# Altium PCB WirelessPCB.PcbDoc
Units mm, origin at the board's own origin, x right, y up, seen from the top; angles counter-clockwise.
Board outline 29.06 x 38 mm, 2 copper layers (Top Layer, Bottom Layer), stack 1.571 mm thick; 14 components, 14 nets, 87 pads, 30 vias.
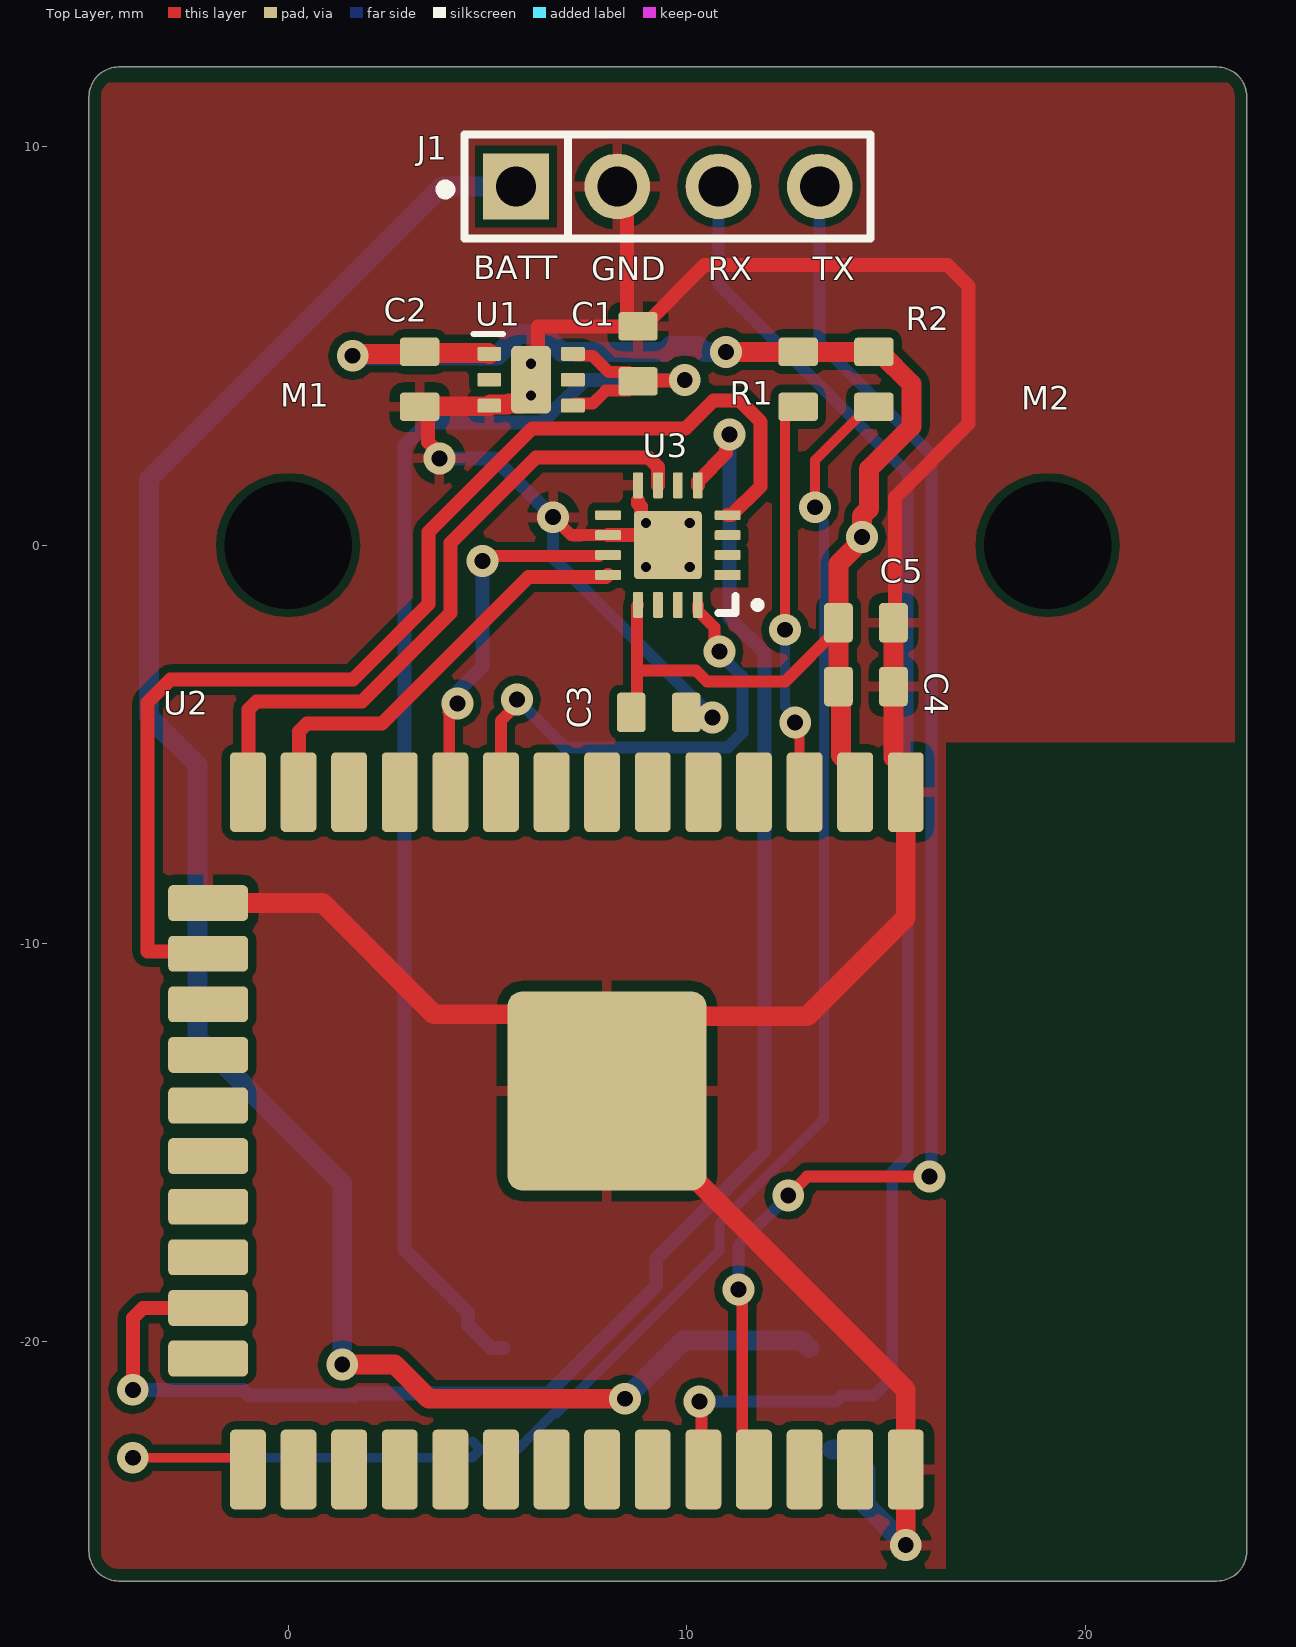
[diagram p0: Top Layer view]
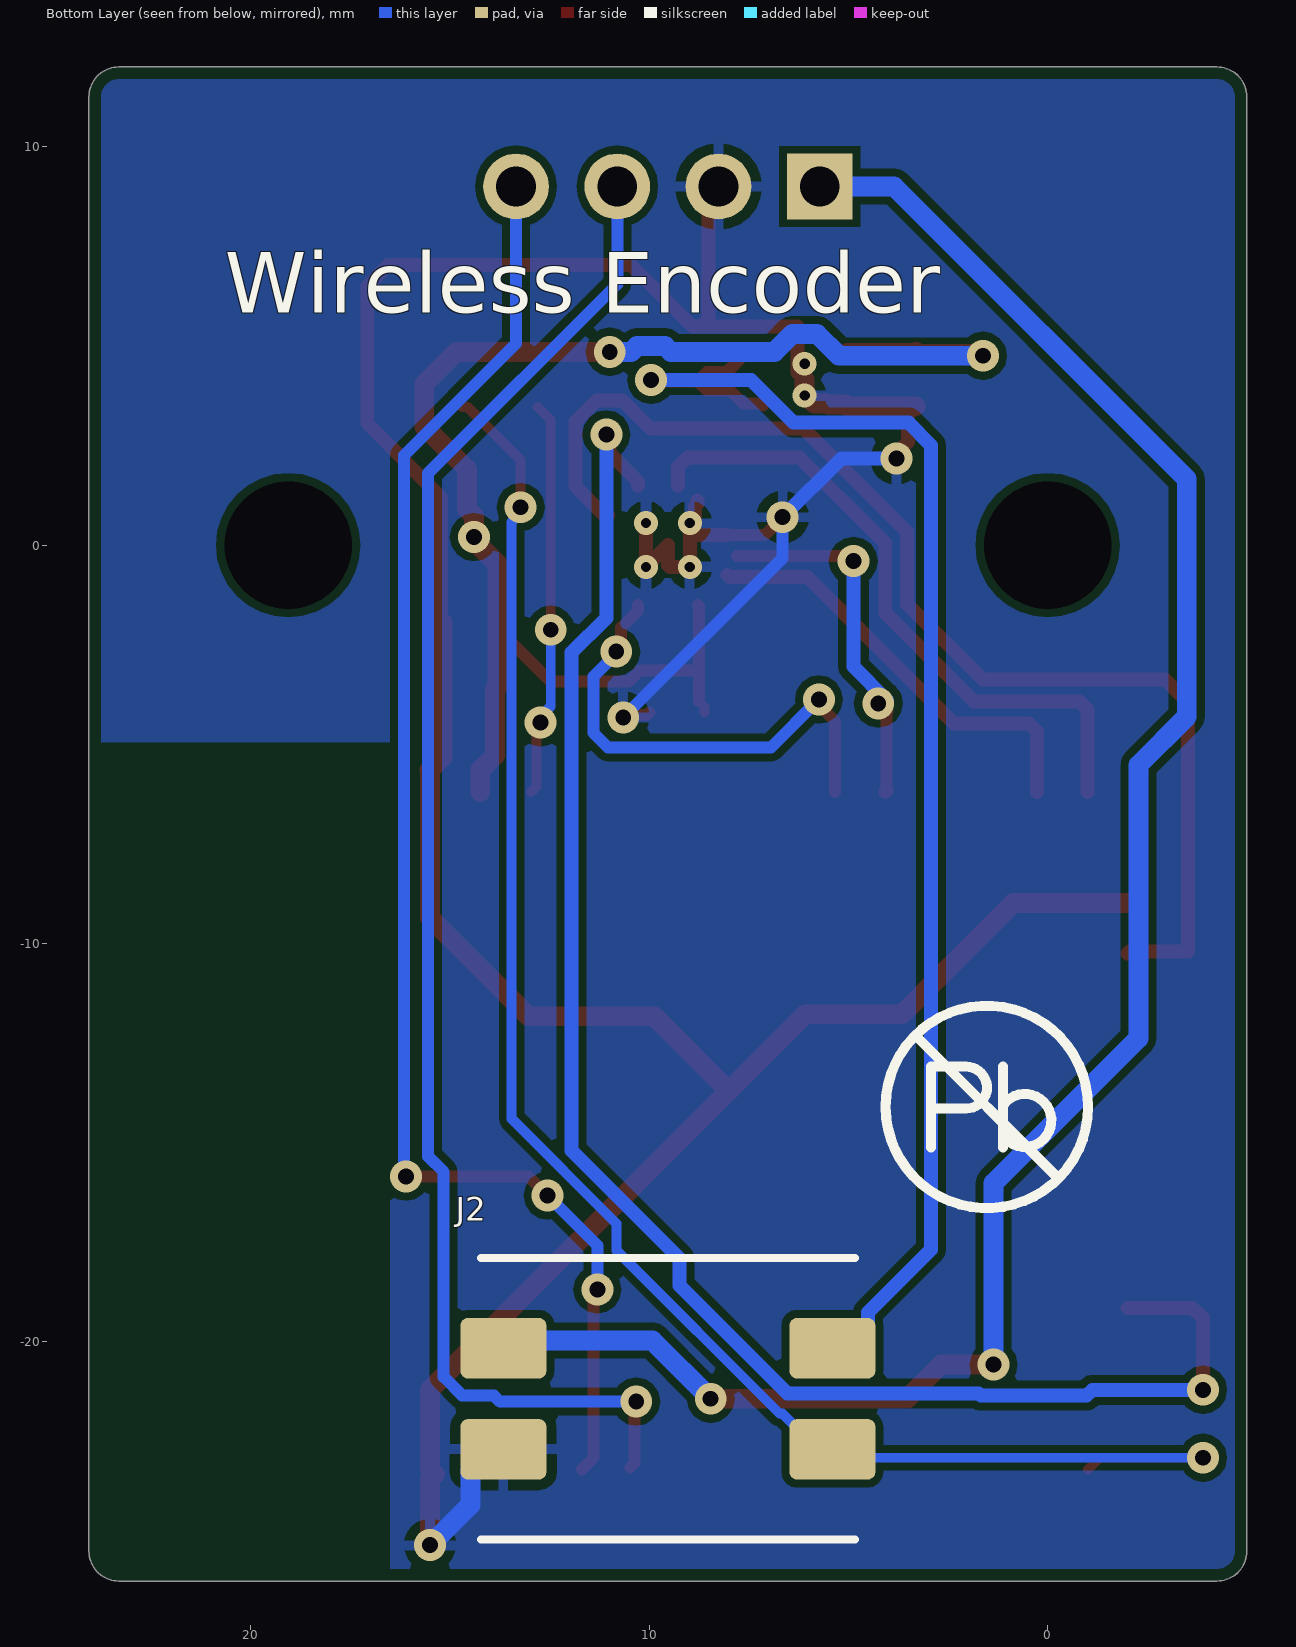
[diagram p1: Bottom Layer view, seen from below]

## Layer stack, top to bottom
Top Solder: solder mask 0.0102, Solder Resist, Dk 3.5
Top Layer: signal copper 0.0356
Dielectric1: core 1.5, FR-4, Dk 4.5
Bottom Layer: signal copper 0.0356
Bottom Solder: solder mask 0.0102, Solder Resist, Dk 3.5

## Board outline
-5,-25.25 ccw(c-4.25,-25.25) -4.25,-26 23.31,-26 ccw(c23.31,-25.25) 24.06,-25.25 24.06,11.25 ccw(c23.31,11.25) 23.31,12 -4.25,12 ccw(c-4.25,11.25) -5,11.25

## Design rules (kind name [scope] priority, off if disabled: settings)
AcuteAngle [All] p1: minimum=4.50000000000000E+0001 checktracksonly=TRUE
AssemblyTestPointUsage [All] p1 off: allowmultiple=TRUE
AssemblyTestpoint [(IsPad And (OnTopLayer Or OnBottomLayer)) Or (IsVia) Or (IsPad And OnMultiLayer)] p1: testpointundercomponent=FALSE minsize=1.016 maxsize=2.54 preferedsize=1.524 minholesize=0 maxholesize=1.016 preferedholesize=0.813 testpointgrid=0.025 usegrid=FALSE gridtolerance=0 allowsidebottom=TRUE minspacing=1.27 compbodyclearance=0.05
BoardOutlineClearance [All] p1: gap=0.3 ignorepadtopadclearanceinfootprint=FALSE except(0: Arc-SplitContinuation Track-SplitContinuation SMDPad-SplitContinuation THPad-SplitContinuation Via-SplitContinuation Fill-SplitContinuation Poly-SplitContinuation Region-SplitContinuation Text-SplitContinuation)
Clearance [All] p1: gap=0.2 ignorepadtopadclearanceinfootprint=FALSE except(0: Arc-Hole Track-Hole SMDPad-Hole THPad-Hole Via-Hole Fill-Hole Poly-Hole Region-Hole Text-Hole)
ComponentClearance [All] p1: gap=0.005 collisioncheckmode=3 verticalgap=0.254 showdistances=FALSE
FabricationTestPointUsage TestPointUsage [All] p1 off: valid=0 allowmultiple=TRUE
FabricationTestpoint Testpoint [All] p1 off: side=2 testpointundercomponent=FALSE minsize=0.889 maxsize=3.048 preferedsize=0.889 minholesize=0 maxholesize=1.778 preferedholesize=0.381 testpointgrid=0.025 allowsidebottom=TRUE usegrid=TRUE gridtolerance=0
HoleSize [All] p1: absolutevalues=TRUE maxlimit=4.318 minlimit=0 maxpercent=80.000 minpercent=20.000
HoleToHoleClearance [All] p1: gap=0.54 allowstackedmicrovias=TRUE
MinimumAnnularRing [All] p1: minimumring=0.127
MinimumSolderMaskSliver [All] p1: minsoldermaskwidth=0.1
PlaneClearance [All] p1: clearance=0.305
PlaneConnect PlaneConnect_1 [IsVia] p1: planeconnectstyle=Direct reliefexpansion=0.508 reliefentries=4 reliefconductorwidth=0.254 reliefairgap=0.254
PlaneConnect [All] p2: planeconnectstyle=Relief reliefexpansion=0.381 reliefentries=4 reliefconductorwidth=0.254 reliefairgap=0.254
PolygonConnect [All] p1: connectstyle=Relief reliefconductorwidth=0.254 reliefentries=4 polygonreliefangle="90 Angle" airgapwidth=0.254
RoomDefinition WirelessPCB-Micro [InComponentClass('WirelessPCB-Micro')] p1 off: confinementstyle=ConfineIn formatcopy=TRUE lockcomponents=FALSE outline -413.748,-311.222 -362.948,-311.222 -362.948,-285.822 -413.748,-285.822
RoutingVias [All] p1: holewidth=0.4 width=0.8 viastyle="Through Hole" minholewidth=0.2 minwidth=0.25 maxholewidth=0.7 maxwidth=1.3
SilkToSilkClearance [All] p1: silktosilkclearance=0.05
SilkToSolderMaskClearance SilkscreenOverComponentPads [IsPad] p1: minsilkscreentomaskgap=0.25 clearancetoexposedcopper=TRUE
SolderMaskExpansion [All] p1: expansion=0.076
Width [All] p1: maxlimit=2.54 minlimit=0.2 preferedwidth=0.305
18 further rules are at their usual default settings.

## Components (designator, comment, footprint, x,y, rotation, side; value= is the part's Value field where it differs from the comment)
C1 "1034454-00-A" CAPC1608X80N 8.78,4.8 r90 top value=1uF
C2 "1034454-00-A" CAPC1608X80N 3.3,4.16 r270 top value=1uF
C3 "1034454-00-A" CAPC1608X80N 9.3,-4.2 r0 top value=1uF
C4 "2005100" CAPC1608X80N 14.5,-3.55 r0 top value=100nF
C5 "1054400-00-A" CAPC1608X80N 14.5,-1.95 r0 top value=10uF
J1 "1036168-00-A" MOLEX_22-28-4043 9.53,9 r0 top
J2 "1115379-00-A" SWITCH-TE-1825058-1 9.53,-21.425 r180 bottom
M1 "MOUNTING HOLE UNPLATED 3.2 MM" MTG320 0,0 r0 top locked
M2 "MOUNTING HOLE UNPLATED 3.2 MM" MTG320 19.06,0 r0 top locked
R1 "2000015" RESC1608X50N 12.8,4.16 r270 top value=10K0
R2 "2000015" RESC1608X50N 14.7,4.16 r270 top value=10K0
U1 "1517151-00-A" SON65P200X200X80-7AN 6.097,4.15 r0 top
U2 "1490526-00-A" MODULE-ESPRESSIF-ESP32-WROOM-32 7.29,-14.7 r270 top locked
U3 "1483744-00-A" QFN50P300X300X100_HS-17N 9.53,0 r0 top locked

## Footprints (in the part's own frame and the unit in brackets; to place one, negate y for a bottom-side part, rotate by r counter-clockwise, add the part's x,y. Pads: shape width x height; smd on the part's side, far side on the other; paste and mask are expansions set on the pad)
CAPC1608X80N [mm] "CAPACITOR CHIP 0603 (1608) 0.8MM THICK"
  rrect25% 0.72x0.99 smd mask+0.075: 1(-0.69,0) 2(0.69,0)
  body extent -0.81,-0.41 0.81,0.41, height 0.81
MODULE-ESPRESSIF-ESP32-WROOM-32 [mm] "MODULE ESPRESSIF-ESP32-WROOM-32"
  rrect25% 2x0.9 smd mask+0.075: 1(-8.5,8.21) 2(-8.5,6.94) 3(-8.5,5.67) 4(-8.5,4.4) 5(-8.5,3.13) 6(-8.5,1.86) 7(-8.5,0.59) 8(-8.5,-0.68) 9(-8.5,-1.95) 10(-8.5,-3.22) 11(-8.5,-4.49) 12(-8.5,-5.76) 13(-8.5,-7.03) 14(-8.5,-8.3) 25(8.5,-8.3) 26(8.5,-7.03) 27(8.5,-5.76) 28(8.5,-4.49) 29(8.5,-3.22) 30(8.5,-1.95) 31(8.5,-0.68) 32(8.5,0.59) 33(8.5,1.86) 34(8.5,3.13) 35(8.5,4.4) 36(8.5,5.67) 37(8.5,6.94) 38(8.5,8.21)
  rrect25% 0.9x2 smd mask+0.075: 15(-5.715,-9.3) 16(-4.445,-9.3) 17(-3.175,-9.3) 18(-1.905,-9.3) 19(-0.635,-9.3) 20(0.635,-9.3) 21(1.905,-9.3) 22(3.175,-9.3) 23(4.445,-9.3) 24(5.715,-9.3)
  rrect15% 5x5 smd mask+0.075: 39(-1,0.71)
  body extent -9,-9.8 9,15.7, height 2.91
MOLEX_22-28-4043 [mm] "HEADER BREAKAWAY 1X4 2.54mm PITCH (100MIL) GOLD FLASH"
  rect 1.65x1.65 / inner round 1.65 / far side rect 1.65x1.65 hole 1: 1(-3.81,0)
  round 1.65 hole 1: 2(-1.27,0) 3(1.27,0) 4(3.81,0)
  silkscreen extent -5.71,-1.3 5.08,1.3, body extent -5.08,-1.27 5.08,1.27, height 9.5
MTG320 [mm] "MOUNTING HOLE, UNPLATED , 3.2MM"
  round 0 hole 3.2 unplated mask+1.079: 1(0,0)
QFN50P300X300X100_HS-17N [mm] "QFN, 16-Leads, Body 3.00x3.00mm, Pitch 0.50mm, Thermal Pad 1.75x1.75mm, IPC Low Density"
  rrect0% 0.65x0.245 smd mask+0.075: 1(1.5,-0.75)
  rrect25% 0.65x0.245 smd mask+0.075: 2(1.5,-0.25) 3(1.5,0.25) 4(1.5,0.75) 9(-1.5,0.75) 10(-1.5,0.25) 11(-1.5,-0.25) 12(-1.5,-0.75)
  rrect25% 0.245x0.65 smd mask+0.075: 5(0.75,1.5) 6(0.25,1.5) 7(-0.25,1.5) 8(-0.75,1.5) 13(-0.75,-1.5) 14(-0.25,-1.5) 15(0.25,-1.5) 16(0.75,-1.5)
  rrect10% 1.7x1.7 smd paste-1.803 mask+0.075: 17(0,0)
  silkscreen extent 1.27,-1.7 2.3,-1.27, body extent -1.51,-1.51 1.51,1.51, height 1
RESC1608X50N [mm] "RESISTOR CHIP 0603 (1608) 0.5MM THICK"
  rrect25% 0.72x0.99 smd mask+0.075: 1(-0.69,0) 2(0.69,0)
  body extent -0.8,-0.4 0.8,0.4, height 0.37
SON65P200X200X80-7AN [mm] "(TI DRV (S-PWSON-N6)) WITH VIAS"
  rrect25% 0.6x0.35 smd paste+0 mask+0.07: 1(-1.05,0.65) 2(-1.05,0) 3(-1.05,-0.65) 4(1.05,-0.65) 5(1.05,0) 6(1.05,0.65)
  rrect25% 1x1.7 smd paste+0 mask+0.07: 7(0,0)
  silkscreen extent -1.45,1.15 -0.7,1.15, body extent -1,-1 1,1, height 0.76
SWITCH-TE-1825058-1 [mil] "210-3MS : SWITCH,SPST,DIP,2-POS,SMD,RoHS"
  rrect25% 85x60 smd: 1(-162.5,50) 2(-162.5,-50) 3(162.5,-50) 4(162.5,50)
  silkscreen extent -185,-139 185,139, body extent -185,-139 185,139, height 183

## Part data
C1 C2 C3: library part CMP-00102-8, "CAPACITOR 0603(1608) 1uF X5R 50V  [AEC-Q]", Dielectric=X5R, Manufacturer=TDK, Manufacturer PartNo=CGA3E3X5R1H105K080AB, Package=0603(1608), Voltage=50V, AEC-Q=YES, LEVEL=1, Part Number=1034454-00-A, PPAP=-, Preferred=YES, Pressfit=NO, Price=0, ROHS=NO, SAP=1034454-00-A, selective soldering=NO, Sherlock Type="CAPACITOR CERAMIC", SupplyChain=-, WASHABLE=YES
C4: library part CMP-00163-8, "CAP,X5R,0.47UF,50V,10%,0603(1608)", Dielectric=X7R, Manufacturer=MURATA, Manufacturer PartNo=GRM188R71H104KA93D, Package=0603(1608), Voltage=50V, AEC-Q=NO, LEVEL=1, Part Number=2005100, PPAP=-, Preferred=YES, Pressfit=NO, Price=0, ROHS=NO, SAP=2005100, selective soldering=NO, Sherlock Type="CAPACITOR CERAMIC", SupplyChain=-, WASHABLE=YES
C5: library part CMP-00111-10, "CAPACITOR 0603(1608) 10uF X5R 6V3  [AEC-Q]", Dielectric=X5R, Manufacturer=KEMET, Manufacturer PartNo=C0603C106M9PAC, Package=0603(1608), Part Notes="USE 2004011", Voltage=6V3, AEC-Q=YES, LEVEL=1, Part Number=1054400-00-A, PPAP=-, Preferred=YES, Pressfit=NO, Price=0, ROHS=NO, SAP=1054400-00-A, selective soldering=NO, Sherlock Type="CAPACITOR CERAMIC", SupplyChain=-, WASHABLE=YES
J1: library part CMP-00881-5, "HEADER BREAKABLE 1X4 PINS GOLD FLASH", Manufacturer=MOLEX, Manufacturer PartNo=22-28-4043, Angle=VERTICAL, LEVEL=1, Part Number=1036168-00-A, PinCount=4, Pitch="2.54 mm (100mils)", Plating=GOLD, ROHS=YES, Rows=1, SAP=1036168-00-A, SchLibComponentName=CON_MOLEX_22-28-4043, selective soldering=YES, TYPE=CONNECTOR, WASHABLE=YES
J2: library part CMP-08810-1, "SW,DIP,SPST,2POS,0.1A,24VDC,SM", Manufacturer=TE, Manufacturer PartNo=1825058-1, Package=DIP-6, AEC-Q=YES, LEVEL=1, Part Number=1115379-00-A, Preferred=YES, Pressfit=NO, ROHS=YES, SAP=1115379-00-A, selective soldering=NO, WASHABLE=YES
M1 M2: library part CMP-01416-A.4, Part Number=BOARD_FEATURE, DIAMETER="3.2 mm", SAP=BOARD_FEATURE
R1 R2: library part CMP-02462-8, "RESISTOR 0603(1608) 10K0 1% 1/10W", Manufacturer=Vishay, Manufacturer PartNo=CRCW06031002FKTA, Package=0603(1608), Tolerance=1%, AEC-Q=YES, LEVEL=1, Part Number=2000015, Preferred=NO, Pressfit=NO, Replaced By=1114330-00-A, ROHS=No, SAP=2000015, selective soldering=NO, Sherlock Type=RESISTOR, WASHABLE=YES, Wattage=1/10W
U1: library part CMP-16621-2, "IC,VOLT-REG,LDO,3.3V,1A,WSON6,AEC-Q", Manufacturer="Texas Instruments", Manufacturer PartNo=TPS73733DRVR, AEC-Q=YES, LEVEL=1, LongDescription=-, Part Number=1517151-00-A, PPAP=-, Preferred=YES, Pressfit=NO, Price=0, ROHS=YES, SAP=1517151-00-A, selective soldering=NO, Sherlock Type=IC, SupplyChain=-, WASHABLE=YES
U2: library part CMP-14064-1, "MODULE,WIFI/BLE,150MBPS,ESP32,SMD-38", Manufacturer="Espressif Systems", Manufacturer PartNo=ESP32-WROOM-32, AEC-Q=NO, LEVEL=1, Part Number=1490526-00-A, Preferred=YES, Pressfit=NO, ROHS=YES, SAP=1490526-00-A, selective soldering=NO, Sherlock Type=IC, WASHABLE=YES
U3: library part CMP-13750-4, "IC,ANGLE SNSR,14-BIT,MA730,QFN16", Manufacturer=MPS, Manufacturer PartNo=MA730GQ, Package=QFN, AEC-Q=NO, LEVEL=1, Part Number=1483744-00-A, Preferred=YES, Pressfit=NO, ROHS=YES, SAP=1483744-00-A, selective soldering=NO, Sherlock Type=IC, WASHABLE=YES

## Via types
v1: diameter 0.8, hole 0.4, Top Layer to Bottom Layer, 24 vias
v2: diameter 0.6, hole 0.254, Top Layer to Bottom Layer, 4 vias
v3: diameter 0.6/0.6 (per signal layer), hole 0.254, Top Layer to Bottom Layer, 2 vias

## Nets (pads, with @x,y where several pads share a name; then routed paths per layer and width w, separated by ;. In a path a pad name is that pad's centre, name@x,y a point inside that pad or via, vN(x,y) a via of type N, cw(c..) or ccw(c..) an arc to the next point about the centre after c; other vN are vias at no path point)
3V3: C2.1 C3.1 C4.1 C5.1 R1.1 R2.1 U1.1 U2.2 U3.13 | length 38.1
  Top Layer w0.25: C3.1 8.61,-4.065 C3.1@8.752,-3.923
  Top Layer w0.3: C3.1@8.752,-3.923 8.752,-3.15 ; U3.13 8.752,-1.527 8.752,-3.15 ; C5.1 13.81,-2.085 12.47,-3.425 10.515,-3.425 10.24,-3.15 8.752,-3.15
  Top Layer w0.5: v1(1.619,4.752) 1.668,4.801 3.251,4.801 C2.1 3.325,4.825 5.022,4.825 U1.1 ; v1(10.989,4.85) R1.1 R2.1 14.835,4.85 15.645,4.04 15.645,2.976 14.575,1.906 14.575,0.91 14.4,0.735 v1(14.4,0.2) 14.4,0.119 13.81,-0.471 C5.1 ; C5.1@13.81,-2.085 C4.1 13.87,-3.61 13.87,-5.28 14.24,-5.65 U2.2@14.24,-6.2
  Bottom Layer w0.5: v1(1.619,4.752) 5.238,4.752 5.786,5.3 6.407,5.3 6.857,4.85 9.453,4.85 9.6,4.998 10.304,4.998 10.452,4.85 v1(10.989,4.85)
BOOT_MODE: J2.3 R2.2 U2.25 | length 42.6
  Top Layer w0.25: v1(-3.9,-22.906) -1.304,-22.906 U2.25 ; v1(13.225,0.95) 13.225,2.13 14.565,3.47 R2.2
  Bottom Layer w0.25: v1(-3.9,-22.906) 4.617,-22.906 4.828,-22.695 J2.3@4.625,-22.492 ; J2.3 5.755,-22.695 6.658,-21.792 6.733,-21.792 10.825,-17.7 10.825,-17.025 13.45,-14.4 13.45,0.576 13.225,0.801 v1(13.225,0.95)
GND: C1.2 C2.2 C3.2 C4.2 C5.2 J1.2 J2.2 U1.3 U1.7 U2.1 U2.15 U2.38 U2.39 U3.8 U3.10 U3.17 | length 95.3
  Top Layer w0.3: v1(6.65,0.7) 7.1,0.25 U3.10 ; C3.2 10.053,-4.263 v1@10.651,-4.263
  Top Layer w0.35: C2.2@3.315,3.485 3.507,3.293 3.507,2.585 3.795,2.297 v1(3.795,2.175) ; U1.7@6.274,4.327 6.274,5.49 C1.2@8.694,5.49 ; U3.10 U3.17@8.98,0.25 ; J1.2 8.509,8.751 8.509,5.675 C1.2@8.694,5.49 ; 8.782,1.114 8.782,1.038 8.855,0.965 8.855,0.675 8.98,0.55 U3.17@8.98,0.25 ; v2(10.08,0.55) v2(10.08,-0.55) U3.17 9.53,-0.5 9.48,-0.55 v2(8.98,-0.55) U3.17@8.98,0.25 ; C5.2 15.225,-1.915 15.225,1.2 17.075,3.05 17.075,6.5 16.55,7.025 10.45,7.025 8.915,5.49 C1.2 C1.2@8.694,5.49
  Top Layer w0.5: U2.15 0.865,-8.985 3.655,-11.775 6.075,-11.775 U2.39 ; C2.2@3.315,3.485 5.032,3.485 5.072,3.525 5.507,3.525 5.532,3.55 5.847,3.55 6.097,3.8 U1.7 ; C5.2 C4.2 15.19,-5.33 15.51,-5.65 15.5,-5.66 U2.1 15.5,-9.353 13.027,-11.825 9.875,-11.825 U2.39 ; v1(15.5,-25.1) 15.5,-23.45 15.375,-23.325 U2.38 15.5,-21.2 U2.39
  Bottom Layer w0.3: v1(6.65,0.7) 6.65,-0.325 v1(10.651,-4.325)
  Bottom Layer w0.35: v1(3.795,2.175) 5.175,2.175 v1(6.65,0.7)
  Bottom Layer w0.5: J2.2 13.975,-22.695 14.487,-23.207 14.487,-24.087 v1(15.5,-25.1)
  other v2: 8.98,0.55
  other v3: 6.097,3.75 6.097,4.55
HV: C1.1 J2.4 U1.4 U1.6 | length 36.6
  Top Layer w0.3: U1.4 7.195,3.548 7.638,3.548 7.967,3.877 8.547,3.877 C1.1 8.547,4.343 8.047,4.343 7.638,4.752 7.195,4.752 U1.6
  Top Layer w0.35: C1.1 8.799,4.129 9.934,4.129 v1(9.952,4.148)
  Bottom Layer w0.35: J2.4 5.093,-20.155 4.508,-19.569 4.508,-19.26 2.922,-17.674 2.922,2.5 3.497,3.075 6.376,3.075 7.449,4.148 v1(9.952,4.148) v1@9.939,4.161
HV_SW: J1.1 J2.1 | length 49.2
  Top Layer w0.5: v1(1.356,-20.568) 2.673,-20.568 3.53,-21.425 v1(8.455,-21.425)
  Bottom Layer w0.5: v1(1.356,-20.568) 1.356,-16.014 -2.278,-12.38 -2.278,-5.522 -3.492,-4.308 -3.492,1.656 3.853,9 J1.1 ; v1(8.455,-21.425) 9.914,-19.967 12.894,-19.967 J2.1@13.083,-20.155
MGH: U2.9 U3.16 | length 12.5
  Top Layer w0.3: U2.9 5.34,-4.41 5.74,-4.01 v1(5.74,-3.875) ; U3.16 10.28,-1.647 10.705,-2.072 10.705,-2.554 v1(10.826,-2.675)
  Bottom Layer w0.3: v1@5.75,-3.875 5.75,-3.885 6.94,-5.075 11.035,-5.075 11.401,-4.71 11.401,-3.302 10.826,-2.727 v1(10.826,-2.675)
MGL: U2.10 U3.11 | length 9.2
  Top Layer w0.3: U2.10@4.043,-6.173 v1@4.043,-4.182 ; v1@5,-0.275 U3.11@7.802,-0.275
  Top Layer w0.35: U2.10@4.043,-6.173 U2.10 ; v1@4.043,-4.182 v1(4.25,-3.975) ; v1(4.875,-0.4) v1@5,-0.275
  Bottom Layer w0.35: v1@4.025,-3.9 4.875,-3.05 v1(4.875,-0.4)
NetR1_2: R1.2 U2.3 | length 10
  Top Layer w0.25: v1(12.47,-2.125) 12.47,3.14 R1.2 ; v1(12.725,-4.45) 12.83,-4.555 12.83,-6.07 U2.3
  Bottom Layer w0.25: v1(12.47,-2.125) 12.47,-4.046 12.725,-4.301 v1(12.725,-4.45)
SPI_CLK: U2.13 U3.12 | length 10.9
  Top Layer w0.35: U2.13@0.27,-6.2 0.27,-4.675 0.47,-4.475 2.354,-4.475 6.029,-0.8 7.98,-0.8 U3.12
SPI_CS: U2.23 U3.5 | length 42.6
  Top Layer w0.35: v1(-3.9,-21.2) -3.9,-19.403 -3.642,-19.145 U2.23 ; U3.5 10.28,1.598 10.989,2.307 10.989,2.689 v1(11.076,2.775)
  Bottom Layer w0.35: v1(-3.9,-21.2) -1.122,-21.2 -0.979,-21.343 1.677,-21.343 1.728,-21.292 6.526,-21.292 9.238,-18.58 9.238,-17.905 11.95,-15.193 11.95,-2.701 11.076,-1.827 v1(11.076,2.775)
SPI_MISO: U2.14 U3.7 | length 16.6
  Top Layer w0.35: U2.14@-1,-6.2 -1,-4.13 -0.795,-3.925 1.853,-3.925 4.075,-1.703 4.075,0.05 6.225,2.2 9.04,2.2 9.278,1.962 9.278,1.502 U3.7
SPI_MOSI: U2.16 U3.4 | length 30.3
  Top Layer w0.35: U2.16@-2,-10.255 -2.05,-10.205 -3.525,-10.205 -3.525,-3.95 -2.95,-3.375 1.625,-3.375 3.525,-1.475 3.525,0.325 6.125,2.925 9.971,2.925 10.671,3.625 11.322,3.625 11.851,3.096 11.851,1.473 11.825,1.448 11.128,0.75 U3.4
UART_RX: J1.3 U2.34 | length 38.8
  Top Layer w0.3: v1(10.324,-21.497) 10.372,-21.545 10.372,-23.042 U2.34@10.475,-23.145
  Bottom Layer w0.3: v1(10.324,-21.497) 13.746,-21.497 13.9,-21.343 14.695,-21.343 15.16,-20.877 15.16,-15.729 15.55,-15.339 15.55,1.8 10.8,6.55 J1.3
UART_TX: J1.4 U2.35 | length 37.3
  Top Layer w0.3: v1(11.3,-18.68) 11.396,-18.776 11.396,-22.906 U2.35 ; v1(12.55,-16.325) 13.025,-15.85 v1(16.1,-15.85)
  Bottom Layer w0.3: v1(11.3,-18.68) 11.3,-17.575 v1(12.55,-16.325) ; J1.4 13.34,5.065 16.15,2.255 16.15,-15.8 v1(16.1,-15.85)
pads on no net: M1.1 M2.1 U1.2 U1.5 U2.4 U2.5 U2.6 U2.7 U2.8 U2.11 U2.12 U2.17 U2.18 U2.19 U2.20 U2.21 U2.22 U2.24 U2.26 U2.27 U2.28 U2.29 U2.30 U2.31 U2.32 U2.33 U2.36 U2.37 U3.1 U3.2 U3.3 U3.6 U3.9 U3.14 U3.15

## Polygon pours and split planes (outlines as drawn)
GND on Bottom Layer "Bottom Layer-No Net" (solid, pour order 7): -5,12 24.06,12 24.06,-26 -5,-26
GND on Top Layer "Top Layer-No Net" (solid, pour order 5): -5.025,11.598 24.035,11.598 24.035,-26.402 -5.025,-26.402

## Other copper
Top Layer:
  pour cut-out: 24.06,-4.95 16.5,-4.95 16.5,-26 24.06,-26
Bottom Layer:
  pour cut-out: 24.06,-4.95 16.5,-4.95 16.5,-26 24.06,-26

## Silkscreen, mask and mechanical layers (free items; w line width, h text height)
Top Overlay:
  text "BATT" at 4.651,6.675 h0.6
  text "GND" at 7.601,6.65 h0.6
  text "RX" at 10.526,6.65 h0.6
  text "TX" at 13.167,6.65 h0.6
Bottom Overlay:
  circle w0.254: c1.525,-14.1 r2.54
  lines w0.25: 1.108,-14.046 ccw(c0.572,-14.441) 1.117,-14.823 ; 1.122,-15.116 1.122,-13.091 ; 2.922,-15.116 2.922,-13.091 2.047,-13.091 ccw(c2.047,-13.616) 2.047,-14.142 2.922,-14.141
  lines w0.254: -0.253,-15.878 3.303,-12.322
  text "Wireless Encoder" at 20.65,5.825 h1.52
Top Solder:
  rectangle: 16.5,-26 24.06,-4.95
Bottom Solder:
  rectangle: 16.5,-26 24.06,-4.95
Board Outline (M2):
  the board outline again, w0.3
Assy BotSide (M14):
  rectangle: 16.5,-25.694 16.5,-4.95
Courtyard Top (M15):
  circle w0.1: c19.06,0 r3
  circle w0.1: c0,0 r3
  circle w0.1: c9.53,0 r3

## Text inside footprints (layer, text, board x,y; h text height)
U1: Assy TopSide (M13) "1" at 4.747,4.625 h0.3
U2: Assy TopSide (M13) "1" at 14.975,-5.125 h0.3 r270; Courtyard Top (M15) "ANTENNA" at 19.295,-13.05 h0.56 r270